# Altium PCB STM_W5500.PcbDoc (continued)
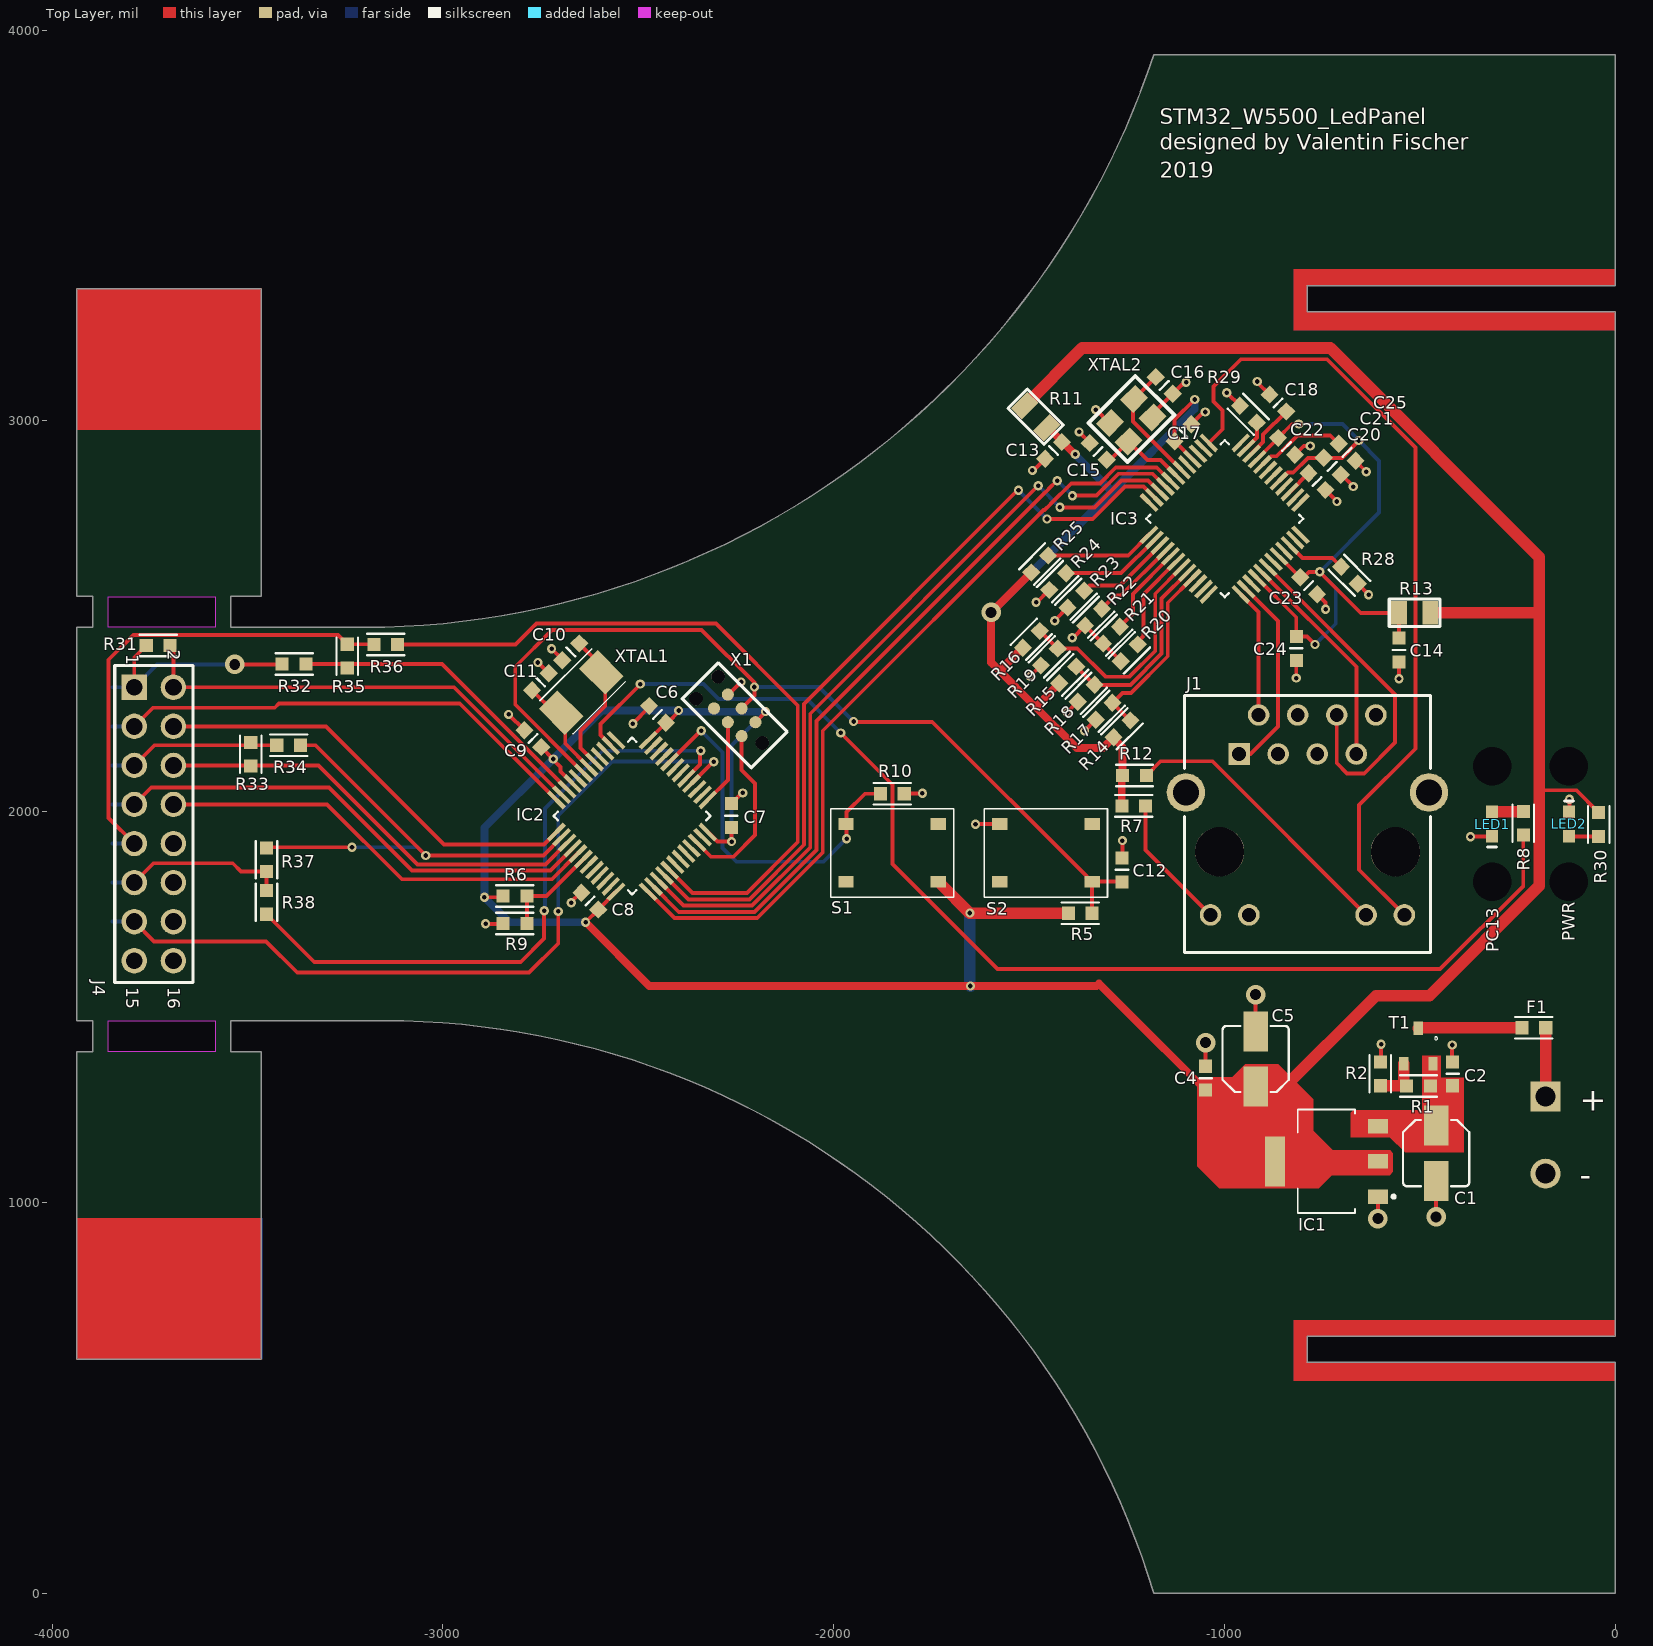
[diagram p0: Top Layer view]
## Part data (continued)
C15 C16: library part GCM188R72A223KA37D, "CAP CER 0.022UF 100V X7R 0603", Digi-Key Part Number=490-4782-1-ND, Manufacturer="Murata Electronics North America", Operating Temperature="-55°C ~ 125°C", Package / Case="0603 (1608 Metric)", Ratings=AEC-Q200, Temperature Coefficient=X7R, Tolerance=±10%, Voltage=100V, @ qty=0, Applications=Automotive, Datasheets=http://www.murata.com/~/media/webrenewal/support/library/catalog/products/capacitor/mlcc/c03e.ashx, Factory Stock=0, Features=-, Height - Seated (Max)=-, Image=//media.digikey.com/Renders/Murata%20Renders/0603%28GCM188%29.jpg, Lead Spacing=-, Lead Style=-, Minimum Quantity=1, Mounting Type="Surface Mount, MLCC", Packaging="Cut Tape (CT)", Part Number=GCM188R72A223KA37D, Part Status=Active, Quantity Available=102005, Series=GCM, Size / Dimension="0.063\" L x 0.031\" W (1.60mm x 0.80mm)", Thickness (Max)="0.035\" (0.90mm)", Unit Price (USD)=0.11
C17: library part GCM188R71C104KA37J, "CAP CER 0.1UF 16V X7R 0603", Digi-Key Part Number=490-8015-1-ND, Manufacturer="Murata Electronics North America", Operating Temperature="-55°C ~ 125°C", Package / Case="0603 (1608 Metric)", Ratings=AEC-Q200, Temperature Coefficient=X7R, Tolerance=±10%, Voltage=6.3V, @ qty=0, Applications=Automotive, Datasheets=http://www.murata.com/~/media/webrenewal/support/library/catalog/products/capacitor/mlcc/c03e.ashx, Factory Stock=0, Features=-, Height - Seated (Max)=-, Image=//media.digikey.com/Renders/Murata%20Renders/0603%28GCM188%29.jpg, Lead Spacing=-, Lead Style=-, Minimum Quantity=1, Mounting Type="Surface Mount, MLCC", Packaging="Cut Tape (CT)", Part Number=GCM188R71C104KA37J, Part Status=Active, Quantity Available=17844, Series=GCM, Size / Dimension="0.063\" L x 0.031\" W (1.60mm x 0.80mm)", Thickness (Max)="0.035\" (0.90mm)", Unit Price (USD)=0.18
C18: library part GCJ188R71C104KA01D, "CAP CER 0.1UF 16V X7R 0603", Digi-Key Part Number=490-5796-1-ND, Manufacturer="Murata Electronics North America", Operating Temperature="-55°C ~ 125°C", Package / Case="0603 (1608 Metric)", Ratings=AEC-Q200, Temperature Coefficient=X7R, Tolerance=±10%, Voltage=16V, @ qty=0, Applications="Automotive, Boardflex Sensitive", Datasheets=http://www.murata.com/~/media/webrenewal/support/library/catalog/products/capacitor/mlcc/c03e.ashx, Factory Stock=0, Features="Soft Termination", Height - Seated (Max)=-, Image=//media.digikey.com/Renders/Murata%20Renders/0603%28LQG18%29.jpg, Lead Spacing=-, Lead Style=-, Minimum Quantity=1, Mounting Type="Surface Mount, MLCC", Packaging="Cut Tape (CT)", Part Number=GCJ188R71C104KA01D, Part Status=Active, Quantity Available=22473, Series=GCJ, Size / Dimension="0.063\" L x 0.031\" W (1.60mm x 0.80mm)", Thickness (Max)="0.035\" (0.90mm)", Unit Price (USD)=0.21
C25: library part GCJ188R71C104KA01D, "CAP CER 0.1UF 16V X7R 0603", Digi-Key Part Number=490-5796-1-ND, Manufacturer="Murata Electronics North America", Operating Temperature="-55°C ~ 125°C", Package / Case="0603 (1608 Metric)", Ratings=AEC-Q200, Temperature Coefficient=X7R, Tolerance=±10%, Voltage=6.3V, @ qty=0, Applications="Automotive, Boardflex Sensitive", Datasheets=http://www.murata.com/~/media/webrenewal/support/library/catalog/products/capacitor/mlcc/c03e.ashx, Factory Stock=0, Features="Soft Termination", Height - Seated (Max)=-, Image=//media.digikey.com/Renders/Murata%20Renders/0603%28LQG18%29.jpg, Lead Spacing=-, Lead Style=-, Minimum Quantity=1, Mounting Type="Surface Mount, MLCC", Packaging="Cut Tape (CT)", Part Number=GCJ188R71C104KA01D, Part Status=Active, Quantity Available=22473, Series=GCJ, Size / Dimension="0.063\" L x 0.031\" W (1.60mm x 0.80mm)", Thickness (Max)="0.035\" (0.90mm)", Unit Price (USD)=0.21
F1 R1: library part ERJ-3EKF1001V, "RES SMD 1K OHM 1% 1/10W 0603", Digi-Key Part Number=P1.00KHCT-ND, Manufacturer="Panasonic Electronic Components", Operating Temperature="-55°C ~ 155°C", Package / Case="0603 (1608 Metric)", Power (Watts)="0.1W, 1/10W", Supplier Device Package=0603, Temperature Coefficient=±100ppm/°C, Tolerance=±1%, @ qty=1500, Composition="Thick Film", Datasheets=http://industrial.panasonic.com/www-cgi/jvcr13pz.cgi?E+PZ+3+AOA0002+ERJ3EKF1001V+7+WW, Factory Stock=0, Failure Rate=-, Features="Automotive AEC-Q200", Height - Seated (Max)="0.022\" (0.55mm)", Image=//media.digikey.com/Photos/Panasonic%20Photos/MFG_ERJ-P6W%20Series.jpg, Minimum Quantity=1, Number of Terminations=2, Packaging="Cut Tape (CT)", Part Number=ERJ-3EKF1001V, Part Status=Active, Quantity Available=5218845, Series=ERJ, Size / Dimension="0.063\" L x 0.031\" W (1.60mm x 0.80mm)", Unit Price (USD)=0.00379
IC1: "Integrated Circuit", Manufacturer_Name="Advanced Monolithic Systems", Datasheet Link=http://www.advanced-monolithic.com/pdf/ds1117.pdf, Height=1.8mm, Manufacturer_Part_Number=AMS1117-5.0
J1: "Modular Jack WR-MJ, Shielded, with LED, Vertical Entry, THT, 8P8C", Contact Resistance="20 mOhm", Operating Temperature="-40 to 85 degC", Rated Current="1.5 A", Withstanding Voltage="1000 VAC", Working Voltage="120 VAC", Compliance="Lead free / RoHS", ComponentLink1Description=Manufacturer, ComponentLink1URL=http://www.we-online.de, ComponentLink2Description=Datasheet, ComponentLink2URL=https://katalog.we-online.com/em/datasheet/615008138321%284%29.pdf, Entrance=Vertical, Mounting Technology=THT, Packaging=Tray, Part Number=615008138321, Pin Number=8P8C, Port=1x1, Published Date="July 2018", Publisher="Wurth Elektronik"
J2: "Serie 213 - 5.00 mm Horizontal Entry Modular with RisingCage Clamp WR-TBL, 2 pin", Operating Temperature="-40 to 105 degC", ComponentLink1Description=Manufacturer, ComponentLink1URL=http://www.we-online.de, ComponentLink2Description=Datasheet, ComponentLink2URL=http://katalog.we-online.de/em/datasheet/6912137100xx.pdf, Mounting Technology=THT, Packaging=Box, Part Number=691213710002, Pin Number=2, Pitch="5.00 mm", Published Date="June 2018", Publisher="Wurth Elektronik"
J4: library part 61301621121, "Pin Header WR-PHD, pitch 2.54 mm, THT, Vertical, dual row, 16 pin", Contact Resistance="20 mOhm", Insulation Resistance=">1000 MOhm", Operating Temperature="-40 to 105 degC", Rated Current="3 A", Working Voltage="250 VAC", ComponentLink1Description=Manufacturer, ComponentLink1URL=http://www.we-online.de, ComponentLink2Description=Datasheet, ComponentLink2URL=http://katalog.we-online.de/em/datasheet/6130xx21121.pdf, Mounting Technology=THT, Orientation=Vertical, Part Number=61301621121, Pin Number=16, Pitch="2.54 mm", Published Date="Jan. 2018", Publisher="Wurth Elektronik", Row Number=Dual
LED1 LED2: library part 150060SS75000, "SMD mono-color Chip LED, WL-SMCW, Super Red", Color="Super Red", ComponentLink1Description="Manufacturer URL", ComponentLink1URL=http://www.we-online.com, ComponentLink2Description=Datasheet, ComponentLink2URL=http://katalog.we-online.com/led/datasheet/150060SS75000.pdf, PackageReference=0603_A, PartNumber=150060SS75000
R2: library part ERJ-3EKF4701V, "RES SMD 4.7K OHM 1% 1/10W 0603", Digi-Key Part Number=P4.70KHCT-ND, Manufacturer="Panasonic Electronic Components", Operating Temperature="-55°C ~ 155°C", Package / Case="0603 (1608 Metric)", Power (Watts)="0.1W, 1/10W", Supplier Device Package=0603, Temperature Coefficient=±100ppm/°C, Tolerance=±1%, @ qty=1500, Composition="Thick Film", Datasheets=http://industrial.panasonic.com/www-cgi/jvcr13pz.cgi?E+PZ+3+AOA0002+ERJ3EKF4701V+7+WW, Factory Stock=0, Failure Rate=-, Features="Automotive AEC-Q200", Height - Seated (Max)="0.022\" (0.55mm)", Image=//media.digikey.com/Photos/Panasonic%20Photos/MFG_ERJ-P6W%20Series.jpg, Minimum Quantity=1, Number of Terminations=2, Packaging="Cut Tape (CT)", Part Number=ERJ-3EKF4701V, Part Status=Active, Quantity Available=999380, Series=ERJ, Size / Dimension="0.063\" L x 0.031\" W (1.60mm x 0.80mm)", Unit Price (USD)=0.00379
R5 R6 R9 R10 R14 R15 R16 R17 R18 R19 R20 R21 R22 R23 R24 R25 R29 R31 R32 R33 R34 R35 R36 R37 R38: library part ERJ-3EKF1002V, "RES SMD 10K OHM 1% 1/10W 0603", Digi-Key Part Number=P10.0KHCT-ND, Manufacturer="Panasonic Electronic Components", Operating Temperature="-55°C ~ 155°C", Package / Case="0603 (1608 Metric)", Power (Watts)="0.1W, 1/10W", Supplier Device Package=0603, Temperature Coefficient=±100ppm/°C, Tolerance=±1%, @ qty=1500, Composition="Thick Film", Datasheets=http://industrial.panasonic.com/www-cgi/jvcr13pz.cgi?E+PZ+3+AOA0002+ERJ3EKF1002V+7+WW, Factory Stock=0, Failure Rate=-, Features="Automotive AEC-Q200", Height - Seated (Max)="0.022\" (0.55mm)", Image=//media.digikey.com/Photos/Panasonic%20Photos/MFG_ERJ-P6W%20Series.jpg, Minimum Quantity=1, Number of Terminations=2, Packaging="Cut Tape (CT)", Part Number=ERJ-3EKF1002V, Part Status=Active, Quantity Available=6703141, Series=ERJ, Size / Dimension="0.063\" L x 0.031\" W (1.60mm x 0.80mm)", Unit Price (USD)=0.00379
R7 R8 R12 R30: library part ERJ-3EKF3300V, "RES SMD 330 OHM 1% 1/10W 0603", Digi-Key Part Number=P330HCT-ND, Manufacturer="Panasonic Electronic Components", Operating Temperature="-55°C ~ 155°C", Package / Case="0603 (1608 Metric)", Power (Watts)="0.1W, 1/10W", Supplier Device Package=0603, Temperature Coefficient=±100ppm/°C, Tolerance=±1%, @ qty=1500, Composition="Thick Film", Datasheets=http://industrial.panasonic.com/www-cgi/jvcr13pz.cgi?E+PZ+3+AOA0002+ERJ3EKF3300V+7+WW, Factory Stock=0, Failure Rate=-, Features="Automotive AEC-Q200", Height - Seated (Max)="0.022\" (0.55mm)", Image=//media.digikey.com/Photos/Panasonic%20Photos/MFG_ERJ-P6W%20Series.jpg, Minimum Quantity=1, Number of Terminations=2, Packaging="Cut Tape (CT)", Part Number=ERJ-3EKF3300V, Part Status=Active, Quantity Available=670984, Series=ERJ, Size / Dimension="0.063\" L x 0.031\" W (1.60mm x 0.80mm)", Unit Price (USD)=0.00379
R11 R13: library part ERJ-6BQF1R0V, "RES SMD 1 OHM 1% 1/3W 0805", Digi-Key Part Number=P17499CT-ND, Manufacturer="Panasonic Electronic Components", Operating Temperature="-55°C ~ 125°C", Package / Case="0805 (2012 Metric)", Power (Watts)="0.333W, 1/3W", Supplier Device Package=0805, Temperature Coefficient=±200ppm/°C, Tolerance=±1%, @ qty=1500, Composition="Thick Film", Datasheets=https://industrial.panasonic.com/cdbs/www-data/pdf/RDA0000/AOA0000C239.pdf, Factory Stock=0, Failure Rate=-, Features="Automotive AEC-Q200, Current Sense", Height - Seated (Max)="0.028\" (0.70mm)", Image=//media.digikey.com/Renders/Panasonic%20Renders/ERJ-0805%20Pkg.jpg, Minimum Quantity=1, Number of Terminations=2, Packaging="Cut Tape (CT)", Part Number=ERJ-6BQF1R0V, Part Status=Active, Quantity Available=808, Series=ERJ, Size / Dimension="0.079\" L x 0.049\" W (2.00mm x 1.25mm)", Unit Price (USD)=0.05834
R28: library part ERJ-3BQF1R1V, "RES SMD 12,4 KOHM 1% 1/4W 0603", Digi-Key Part Number=P17372CT-ND, Manufacturer="Panasonic Electronic Components", Operating Temperature="-55°C ~ 125°C", Package / Case="0603 (1608 Metric)", Power (Watts)="0.25W, 1/4W", Supplier Device Package=0603, Temperature Coefficient=±200ppm/°C, Tolerance=±1%, @ qty=1500, Composition="Thick Film", Datasheets=https://industrial.panasonic.com/cdbs/www-data/pdf/RDA0000/AOA0000C239.pdf, Factory Stock=0, Failure Rate=-, Features="Automotive AEC-Q200, Current Sense", Height - Seated (Max)="0.022\" (0.55mm)", Image=//media.digikey.com/Photos/Panasonic%20Photos/MFG_ERJ-P6W%20Series.jpg, Minimum Quantity=1, Number of Terminations=2, Packaging="Cut Tape (CT)", Part Number=ERJ-3BQF1R1V, Part Status=Active, Quantity Available=3896, Series=ERJ, Size / Dimension="0.063\" L x 0.031\" W (1.60mm x 0.80mm)", Unit Price (USD)=0.05386
S1 S2: "6.1x3.7x2.5mm"
T1: "AO3401 MOSFET 30V"
XTAL1: library part 5032
XTAL2: library part 3225

## Free pads (board coordinates)
  round 60 hole 98.43 unplated: 0(-314.96,1820.87) 0(-314.96,2116.14) 0(-118.11,1820.87) 0(-118.11,2116.14)

## Via types
v1: diameter 23.62, hole 11.81, Top Layer to Bottom Layer, 67 vias
v2: diameter 50, hole 28, Top Layer to Bottom Layer, 6 vias
v3: diameter 23.62, hole 11.81, Top Layer to Bottom Layer, tented both sides, 1 vias

## Nets (pads, with @x,y where several pads share a name; then routed paths per layer and width w, separated by ;. In a path a pad name is that pad's centre, name@x,y a point inside that pad or via, vN(x,y) a via of type N, cw(c..) or ccw(c..) an arc to the next point about the centre after c; other vN are vias at no path point)
3,3V: C4.1 C5.1 C6.1 C7.1 C8.1 C9.1 IC1.2 IC2.9 IC2.24 IC2.36 IC2.48 R5.2 R6.2 R11.1 R13.1 R30.1 S1.2 X1.1 | length 8712
  Top Layer w10: v1(-2894,1781) -2849.51,1781 R6.2 ; C9.1 v1(-2718,2135) -2718,2133 -2699.15,2114.15 -2699.15,2102.85 IC2.9 ; v1@-2634.85,1717 C8.1 -2602.42,1749.84 IC2.24 ; IC2.48 -2474.28,2182.75 -2454.89,2202.14 -2454.71,2202.14 C6.1 -2425.58,2227.42 -2394,2259 v1(-2397,2259) ; IC2.36 -2321.58,1947.99 -2297,1923.41 v1(-2261.41,1923.41) -2261.41,1958.89 C7.1 ; X1.1 -2173.14,2256.15 v1(-2174.83,2256.15) ; -194,2046 -185.19,2054.81 -99.3,2054.81 R30.1
  Top Layer w20: v1(-2635,1717) -2472,1554 v1(-1650,1554) -1327,1554 -1321,1560 -984,1223 -930,1223 -901,1194
  Top Layer w30: S1.2 -1727.83,1820.87 -1727.6,1820.63 -1727.6,1816.18 -1651.42,1740 R5.2 ; R11.1 -1363.57,3187 -729.23,3187 -194,2651.77 -194,2509 ; C4.1 -862.49,1287.49 -858,1283 -612,1529 -475,1529 -194,1810 -194,2046 -194,2509 ; R13.1 -194,2509
  Bottom Layer w10: v1(-2261.41,1923.41) -2261.41,2169.59 v1@-2175.4,2255.6
  Bottom Layer w20: v1(-2635,1717) -2693.38,1717 -2693.48,1716.9 -2829.9,1716.9 v1(-2894,1781) -2894,1959 v1(-2718,2135) -2594,2259 v1(-2397,2259) -2396.02,2259 -2392.62,2255.6 v1@-2175.4,2255.6 ; v1@-2175.38,2255.6 v1(-2174.83,2256.15)
  Bottom Layer w30: v1(-1651.42,1740.71) -1651.42,1555.42 v1(-1650,1554)
3,3VA: C14.1 C20.1 C21.1 C22.1 C23.1 C24.1 IC3.4 IC3.8 IC3.11 IC3.15 IC3.17 IC3.21 R13.2 | length 1950
  Top Layer w10: IC3.4 -816,2497.7 C24.1@-816,2463.51 ; IC3.21 -862.58,2955.72 C22.1 -827.53,2991.62 -810.38,2991.62 v1(-810,2992) ; IC3.8 -806.57,2600 C23.1 -797.41,2600 -783.41,2614 v1(-756,2614) -651,2509 R13.2 -553,2446.51 C14.1@-555,2444.51 ; IC3.17 -859.7,2846.17 -837.74,2868.13 -823.87,2868.13 -786.42,2905.58 C21.1 -699.42,2905.58 v1@-658,2947 ; IC3.15 -832.56,2818.59 C20.1 ; C24.1 -788.51,2448.51 v1(-768,2428)
  Bottom Layer w10: v1(-810,2992) -698,2992 v1(-656,2950) -604,2898 -604,2766 v1(-756,2614) -715,2573 -715,2481 v1(-768,2428)
3,3VD: C13.1 C17.1 IC3.28 R7.2 R11.2 R12.2 R14.2 R15.2 R16.2 R25.2 | length 2236.7
  Top Layer w10: R16.2@-1516.58,2419.42 R16.2 ; R11.2 R11.2@-1450.72,2982.72 ; v1@-1383,2915 v1(-1382,2915) ; IC3.28 -1081.73,2902.58 C17.1 -1127.58,3003.42 v1(-1076,3055)
  Top Layer w20: R16.2@-1516.58,2419.42 -1572,2364 -1579,2364 ; R25.2 v2(-1597,2510) -1597,2382 -1579,2364 ; R11.2@-1450.72,2982.72 v1@-1383,2915 ; R15.2 -1481,2270 -1485,2270 ; R7.2 -1262.51,2091 R12.2 -1260.51,2165.05 -1283.58,2188.11 R14.2 -1311,2163 -1378,2163 -1485,2270 ; -1579,2364 -1485,2270
  Bottom Layer w20: v2(-1597,2510) -1287.5,2819.5 ; v1(-1382,2915) -1382,2914 -1287.5,2819.5 ; v1(-1076,3055) -1076,3031 -1287.5,2819.5
GND: 1.9 1.11 1.13 1.15 1.16 C1.2 C2.2 C4.2 C5.2 C6.2 C7.2 C8.2 C9.2 C10.1 C11.1 C12.2 C13.2 C14.2 C15.1 C16.1 C17.2 C18.2 C20.2 C21.2 C22.2 C23.2 C24.2 C25.2 IC1.1 IC2.8 IC2.23 IC2.35 IC2.47 IC3.3 IC3.9 IC3.14 IC3.16 IC3.19 IC3.29 IC3.48 J1.8 J1.S1 J1.S2 J4.10 J4.12 J4.14 J4.15 J4.16 LED1.1 LED2.1 R2.1 R9.1 R10.1 R17.1 R18.1 R19.1 R20.2 R21.2 R22.2 R23.2 R24.2 R28.1 R29.1 S2.1 X1.5 XTAL2.2 XTAL2.4 | length 2172.9
  Top Layer w10: v1(-2891,1713) -2847.51,1713 R9.1 ; v1(-2832,2249) C9.2 ; v1(-2757,2382) C11.1 ; v1(-2722,2417) -2694.58,2389.58 C10.1 ; v1(-2672,1767) -2672,1769 -2648.42,1792.58 C8.2 ; v1(-2514,2225) -2514,2226 -2472.58,2267.42 C6.2 ; X1.5 -2269.29,2299.71 v1(-2237,2332) ; C7.2 -2234.51,2048 v1(-2233,2048) ; R10.1 -1818.49,2047 v1(-1773,2047) ; v1(-1637,1968) -1575.31,1968 S2.1 ; v1(-1496.75,2346.75) -1497,2347 R19.1 ; v1(-1491.42,2873.58) -1488.42,2873.58 C13.2 ; v1(-1482,2536) -1480,2536 R24.2 ; v1(-1434,2489) -1434,2490 R23.2 ; v1(-1403,2254) R18.1 ; v1(-1389.34,2445) -1388,2445 R22.2 R21.2 -1310.42,2430.42 R20.2 ; v1(-1372,2972) -1344.58,2944.58 C15.1 ; v1(-1358,2207) R17.1 ; v1(-1329,3029) -1295.33,2995.33 XTAL2.4 ; C12.2 -1261,1882.51 v1(-1261,1926) ; XTAL2.2@-1180.97,3012.03 XTAL2.2 -1183.75,3018.1 C16.1 -1109.38,3092.47 -1108.22,3092.47 -1101.69,3099 v1(-1098,3099) ; C17.2 -1059.81,3016.19 -1059.5,3016.19 -1052.69,3023 v1(-1049,3023) ; C4.2 v2(-1048,1409) ; v1(-994,3072) -993,3072 R29.1 ; C5.2 v2(-920,1532) ; v1(-916,3101) -916,3099 C18.2 ; C22.2 -796.99,2935.86 -780.14,2935.86 v1(-780,2936) ; v1(-816,2342) C24.2 ; C23.2 -741.46,2535.46 -741.46,2518.46 v1(-741,2518) ; C20.2 v1(-712,2794) ; C21.2 -700.42,2862.42 v1(-670,2832) ; C25.2 -664.42,2897.42 v1(-637,2870) ; R28.1 -631,2556 v1(-631,2555) ; v2@-617,948.61 v2(-607.31,958.31) IC1.1 ; R2.1 -599,1361.51 v1(-599,1405) ; v1(-553,2340) C14.2 ; v2(-458,963) C1.2 ; v1(-417,1403) -417,1360.51 C2.2 ; v1(-370,1936) -315.97,1936 LED1.1 ; LED2.1 -117,2001.11 v1(-117,2032)
  Bottom Layer w10: v2@-461,960 v2(-458,963)
Net1_1: 1.1 IC2.11 J4.2 R31.1 | length 1274
  Top Layer w10: R31.1 -3690.16,2416.67 J4.2 -2971.37,2318.5 IC2.11
  Bottom Layer w10: J4.2 1.1
Net1_2: 1.2 J4.1 R31.2 R32.1 | length 578.8
  Top Layer w10: J4.1 -3790.16,2394.35 R31.2 ; v2(-3533,2377) -3412.51,2377 R32.1
  Bottom Layer w10: 1.2 J4.1 -3731.66,2377 v2(-3533,2377)
Net1_3: 1.3 IC2.13 J4.4 | length 1119
  Top Layer w10: J4.4 -3299.5,2218.5 -2997,1916 -2741.74,1916 IC2.13
Net1_4: 1.4 IC2.12 J4.3 | length 1263.4
  Top Layer w10: J4.3 -3742.66,2266 -3430.53,2266 -3419.29,2277.24 -2956.98,2277.24 IC2.12
  Bottom Layer w10: 1.4 J4.3
Net1_5: 1.5 IC2.15 J4.6 R33.1 | length 1135.8
  Top Layer w10: J4.6 -3689.9,2118.24 -3486,2118.24 -3466,2118.24 -3318.24,2118.24 -3065.19,1865.19 -2737.39,1865.19 IC2.15
Net1_6: 1.6 J4.5 R33.2 R34.1 | length 442.3
  Top Layer w10: J4.5 -3738.66,2170 -3492,2170 R34.1
  Bottom Layer w10: 1.6 J4.5
Net1_7: 1.7 IC2.17 J4.8 | length 1142.2
  Top Layer w10: J4.8 -3296.5,2018.5 -3105,1827 -2721.13,1827 -2655.3,1892.83 IC2.17
Net1_8: 1.8 IC2.16 J4.7 | length 1308.2
  Top Layer w10: J4.7 -3746.68,2061.98 -3291.98,2061.98 -3079.19,1849.19 -2725.11,1849.19 IC2.16
  Bottom Layer w10: 1.8 J4.7
Net1_10: 1.10 J4.9 R35.1 R36.1 | length 1269.7
  Top Layer w10: J4.9 -3856,1984.35 -3856,2389 -3792.27,2452.73 -3269.22,2452.73 R35.1 -3177.51,2428.51 R36.1
  Bottom Layer w10: 1.10 J4.9
Net1_12: 1.12 J4.11 R37.1 R38.1 | length 471.8
  Top Layer w10: J4.11 -3740.66,1868 -3538,1868 -3516.49,1846.49 R37.1 R38.1
  Bottom Layer w10: 1.12 J4.11
Net1_14: 1.14 IC2.40 J4.13 | length 2089.7
  Top Layer w10: J4.13 -3739.65,1668 -3453,1668 -3373,1588 -2780,1588 -2705,1663 v1(-2705,1744.71) ; IC2.40 -2307.7,2128 v1(-2307,2128)
  Bottom Layer w10: 1.14 J4.13 ; v1@-2705,1744 v1(-2705,1744.71) -2705,1990 -2567,2128 v1(-2307,2128)
NetC10_2: C10.2 IC2.5 XTAL1.1 | length 371.6
  Top Layer w10: C10.2 -2594.5,2373.65 XTAL1.1 -2584.75,2346.76 -2584.75,2270.25 -2648,2207 -2648,2163.43 IC2.5
NetC11_2: C11.2 IC2.6 XTAL1.2 | length 267.9
  Top Layer w10: C11.2 -2714.8,2253.5 XTAL1.2 -2697.5,2213.24 -2687,2202.74 -2687,2174.14 IC2.6
NetC12_1: C12.1 IC2.7 R5.1 S2.2 X1.3 | length 2361.4
  Top Layer w10: IC2.7 -2815,2273.86 -2815,2371 -2720.76,2465.24 -2337.98,2465.24 -2203,2330.26 v1(-2203,2319.11) -2203,2297 X1.3 ; v1@-1949,2230 -1747.72,2230 -1353.27,1835.55 -1353.27,1830.63 -1343.5,1820.87 S2.2 ; R5.1 -1338.58,1740.09 S2.2 ; C12.1 -1262.38,1820.87 S2.2
  Bottom Layer w10: v1(-2203,2319.11) -2037.4,2319.11 v1(-1949,2230.71)
NetC15_2: C15.2 IC3.31 XTAL2.1 | length 234
  Top Layer w10: C15.2 -1292.58,2900.42 XTAL2.1 -1197,2900 -1163.14,2900 IC3.31
NetC16_2: C16.2 IC3.30 XTAL2.3 | length 313.9
  Top Layer w10: C16.2 -1175.58,3112.08 XTAL2.3 -1233.86,3053.79 -1233.86,2998.86 -1109.45,2874.45 IC3.30
NetC18_1: C18.1 IC3.22 | length 145.2
  Top Layer w10: IC3.22 -930.41,2916.88 -901,2946.29 -901,2965 -841.58,3024.42 C18.1
NetC25_1: C25.1 IC3.20 | length 235
  Top Layer w10: IC3.20 -902.13,2888.59 -880.87,2909.85 -866.15,2909.85 -813,2963 -729,2963 C25.1
NetF1_1: F1.1 T1.D | length 265.9
  Top Layer w30: T1.D -501.87,1447.28 -238.79,1447.28 F1.1
NetIC2_2: IC2.2 R8.1 | length 3109
  Top Layer w10: IC2.2 -2597,2195.86 -2597,2224 v1@-2495.07,2325.93 ; v1@-1982,2201 -1850,2069 -1850,1866 -1581,1597 -448,1597 -235,1810 R8.1
  Bottom Layer w10: v1(-2495.07,2326.64) -2333.64,2326.64 -2295,2288 -2068.29,2288 v1(-1982,2201.71)
NetIC2_10: IC2.10 R32.2 R35.2 | length 801
  Top Layer w10: R32.2 -3269,2378 -3245,2378 -3002.58,2378 IC2.10
NetIC2_14: IC2.14 R34.2 R37.2 | length 1221.6
  Top Layer w10: R37.2 -3450.51,1909 v1(-3233,1909) ; R34.2 -3326,2170 v3(-3044,1888) -2742.86,1888 IC2.14
  Bottom Layer w10: v1(-3233,1909) -3065,1909 v3(-3044,1888)
NetIC2_18: IC2.18 R6.1 R9.2 | length 254.3
  Top Layer w10: R9.2 R6.1 -2735.14,1784 IC2.18
NetIC2_25: IC2.25 IC3.32 | length 2040.2
  Top Layer w10: IC2.25 -2407.5,1727.76 -2195.73,1727.76 -2028,1895.49 -2028,2207.26 -1463.45,2771.81 -1460.19,2771.81 -1443.81,2788.19 -1443.81,2788.45 -1392.07,2840.19 -1318.81,2840.19 -1278,2881 -1173.13,2881 -1138.3,2846.17 IC3.32
NetIC2_26: IC2.26 IC3.33 | length 2040.9
  Top Layer w10: IC2.26@-2461.55,1807.98 IC2.26 -2396.63,1743.76 -2202.36,1743.76 -2044,1902.12 -2044,2232 -1462.81,2813.19 -1462.55,2813.19 -1449.19,2826.55 -1449.19,2826.81 -1429,2847 v1(-1427.97,2847) ; v1(-1389,2808.89) -1327.48,2808.89 -1271.37,2865 -1184,2865 -1151.74,2832.73 IC3.33
  Bottom Layer w10: v1(-1427.97,2847) -1427.11,2847 v1(-1389,2808.89)
NetIC2_27: IC2.27 IC3.34 | length 2017.5
  Top Layer w10: IC2.27 -2384.34,1759.76 -2208.98,1759.76 -2060,1908.75 -2060,2250.74 v1(-1476.37,2834.37) ; v1(-1421,2779) -1332.63,2779 -1263.63,2848 -1195.29,2848 -1165.88,2818.59 IC3.34
  Bottom Layer w10: v1(-1476.37,2834.37) v1(-1421,2779)
NetIC2_28: IC2.28 IC3.35 | length 2001.4
  Top Layer w10: IC2.28 -2372.06,1775.76 -2215.61,1775.76 -2076,1915.37 -2076,2276 -1529,2823 v1(-1527,2823) ; v1(-1454,2749) -1337,2749 -1254,2832 -1206.86,2832 IC3.35
  Bottom Layer w10: v1(-1527,2823) -1527,2822 v1(-1454,2749)
NetIC2_29: IC2.29 R36.2 | length 1888.8
  Top Layer w10: R36.2 -2814,2428 -2760.76,2481.24 -2301.24,2481.24 -2092,2272 -2092,1922 -2222.24,1791.76 -2361.19,1791.76 IC2.29
NetIC2_30: IC2.30
NetIC2_31: IC2.31
NetIC2_32: IC2.32
NetIC2_33: IC2.33
NetIC2_34: IC2.34 X1.2 | length 454.5
  Top Layer w10: IC2.34 -2314.18,1884.76 -2256.24,1884.76 -2201,1940 -2201,2072 -2235.64,2106.64 X1.2
NetIC2_37: IC2.37 X1.4 | length 220.2
  Top Layer w10: IC2.37 -2271,2081.26 X1.4
NetIC2_41: IC2.41 R38.2 | length 1666.9
  Top Layer w10: R38.2 -3329.51,1615 -2801,1615 -2741,1675 v1(-2741,1746.71) ; IC2.41 -2342,2120.57 -2342,2154 v1(-2340,2156)
  Bottom Layer w10: v1@-2739,1746 -2739,2008 -2591,2156 v1(-2340,2156)
NetIC2_44: IC2.44 R10.2 S1.1 | length 966.4
  Top Layer w10: IC2.44 -2340.43,2207 v1(-2339,2207) ; v1(-1967,1931) -1967,1998.99 -1919.99,2046 R10.2
  Bottom Layer w10: v1(-2339,2207) -2284.19,2152.19 -2284.19,1932.88 ; -2284.22,1932.85 -2284.22,1907.22 -2249,1872 -2026,1872 v1(-1967,1931)
NetIC3_1: IC3.1 J1.2 | length 327.5
  Top Layer w10: IC3.1 -912.4,2510.66 J1.2
NetIC3_2: IC3.2 J1.1 | length 514
  Top Layer w10: J1.1 -933.36,2147.64 -863,2218 -863,2488.14 IC3.2
NetIC3_5: IC3.5 J1.7 | length 563.4
  Top Layer w10: IC3.5 -662.4,2370.97 J1.7
NetIC3_6: IC3.6 J1.6 | length 899.7
  Top Layer w10: IC3.6 -563,2299.86 -563,2177 -642,2098 -686,2098 -712.4,2124.4 J1.6
NetIC3_10: IC3.10 R28.2 | length 154
  Top Layer w10: IC3.10 -800.42,2649 -724,2649 R28.2
NetIC3_23: IC3.23 R29.2 | length 77.8
  Top Layer w10: IC3.23@-944.55,2931.02 IC3.23 -917,2957.86 R29.2
NetIC3_25: IC3.25 J1.9 | length 2111.5
  Top Layer w10: IC3.25 -1005,2978.76 -1005,3027 -1027.86,3049.86 -1027.86,3088.14 -958,3158 -737,3158 -511,2932 -511,2161 -655,2017 -655,1851.46 J1.9
NetIC3_27: IC3.27
NetIC3_36: IC3.36 | length 24.7
  Top Layer w10: IC3.36@-1210.44,2808 -1193.45,2791.01 IC3.36
NetIC3_37: IC3.37 R25.1 | length 280.8
  Top Layer w10: R25.1 -1246.16,2655.58 IC3.37
NetIC3_38: IC3.38 R24.1 | length 261.3
  Top Layer w10: R24.1 -1264.29,2610.58 IC3.38
NetIC3_39: IC3.39 R23.1 | length 241.2
  Top Layer w10: R23.1 -1345,2579 -1267.58,2579 IC3.39
NetIC3_40: IC3.40 R22.1 | length 223.6
  Top Layer w10: R22.1 -1280,2553 -1265.3,2553 IC3.40
NetIC3_41: IC3.41 R21.1 | length 234
  Top Layer w10: R21.1 -1234,2507 -1234,2557.43 IC3.41
NetIC3_42: IC3.42 R20.1 | length 252.3
  Top Layer w10: R20.1 -1221.85,2435.04 -1207,2449.89 -1207,2556.14 IC3.42
NetIC3_43: IC3.43 R16.1 R19.2 | length 613.6
  Top Layer w10: R16.1 -1427.42,2417.58 R19.2 -1376.58,2417.58 -1304.5,2345.5 -1242.5,2345.5 -1177,2411 -1177,2557.86 IC3.43
NetIC3_44: IC3.44 R15.1 R18.2 | length 505.2
  Top Layer w10: R15.1 R18.2 -1240.8,2324.58 -1161,2404.37 -1161,2545.57 IC3.44
NetIC3_45: IC3.45 R14.1 R17.2 | length 481.9
  Top Layer w10: R14.1 -1241.42,2233.58 R17.2 -1261,2304 -1238.75,2304 -1145,2397.75 -1145,2534.7 IC3.45
NetJ1_10: J1.10 R12.1 | length 739.9
  Top Layer w10: R12.1 -1163.49,2129 -1030.57,2129 J1.10
NetJ1_11: J1.11
NetJ1_12: J1.12 R7.1 | length 348
  Top Layer w10: R7.1 -1201.49,1901.88 J1.12
NetLED1_2: LED1.2 R8.2 | length 80.4
  Top Layer w30: LED1.2 -236.02,2000 R8.2
NetLED2_2: LED2.2 R30.2 | length 76.3
  Top Layer w10: LED2.2 -42.52,1937.01 R30.2
NetR1_2: R1.2 R2.2 T1.G | length 126.4
  Top Layer w30: R2.2 R1.2@-534.49,1298.49 ; T1.G -541,1305 R1.2@-534.49,1298.49 ; R1.2 R1.2@-534.49,1298.49
VCC: F1.2 J2.1 | length 176.8
  Top Layer w30: J2.1 -177.49,1270.94 F1.2
Vcc_F1: C1.1 C2.1 IC1.3 R1.1 T1.S | length 117
  Top Layer w30: T1.S -466.2,1304.78 R1.1 -416.49,1298 C2.1
pads on no net: IC2.1 IC2.3 IC2.4 IC2.19 IC2.20 IC2.21 IC2.22 IC2.38 IC2.39 IC2.42 IC2.43 IC2.45 IC2.46 IC3.7 IC3.12 IC3.13 IC3.18 IC3.24 IC3.26 IC3.46 IC3.47 J1.3 J1.4 J1.5 J1.MH1 J1.MH2 J2.2 S1.3 S1.4 S2.3 S2.4 X1.6 X1.A X1.B X1.C

## Polygon pours and split planes (outlines as drawn)
GND on Bottom Layer "BottomLayer-GND" (solid, pour order 6): -3937.01,1386.22 -3895.89,1386.22 -3895.89,1464.96 -3937.01,1464.96 -3937.01,2472.05 -3895.89,2472.05 -3895.89,2550.79 -3937.01,2550.79 -3937.01,3338.19 -3464.57,3338.19 -3464.57,2550.79 -3543.31,2550.79 -3543.31,2472.05 -3149.61,2472.05 ccw(c-3208.01,4605.57) -1181.1,3937.01 0,3937.01 0,3346.46 -787.4,3346.46 -787.4,3279.53 0,3279.53 0,657.48 -787.4,657.48 -787.4,590.55 0,590.55 0,0 -1181.1,0 ccw(c-3149.61,-590.08) -3149.61,1464.96 -3543.31,1464.96 -3543.31,1386.22 -3464.57,1386.22 -3464.57,598.82 -3937.01,598.82

## Other copper
Top Layer:
  region net 3,3V: -1069,1231 -1069,1308 -1057,1320 -980,1320 -947,1353 -880,1353 -862,1353 -773,1264 -773,1183 -723,1133 -576,1133 -569,1126 -569,1078 -577,1070 -725,1070 -759,1036 -1013,1036 -1069,1092
  region net Vcc_F1: -454,1340 -454,1327 -452,1325
  region: -451,1368
  region net Vcc_F1: -537.67,1128.22 -576.45,1167 -677,1167 -677,1229.8 -670.8,1236 -493,1236 -493,1375 -446,1375 -446,1319 -388,1319 -388,1128.22
  region: -3464.56,599 -3937,599 -3936.57,599.43 -3936.57,959.19 -3464.57,959.19
  region: -3937.01,3338.19 -3464.57,3338.19 -3465,3337.76 -3465,2978 -3936.99,2978
  region: 0,657.46 0,699 -822,699 -822,543 0,543 0,590.53 -787.4,590.53 -787.4,657.46
  region: 0,3346.46 0,3388 -822,3388 -822,3232 0,3232 0,3279.53 -787.4,3279.53 -787.4,3346.46
Bottom Layer:
  region: -3461.56,599 -3934,599 -3933.57,599.43 -3933.57,959.19 -3461.57,959.19
  region: -3937.01,3338.19 -3464.57,3338.19 -3465,3337.76 -3465,2979 -3936.99,2979
  region: 0,657.46 0,699 -822,699 -822,543 0,543 0,590.53 -787.4,590.53 -787.4,657.46
  region: 0,3346.46 0,3388 -822,3388 -822,3232 0,3232 0,3279.53 -787.4,3279.53 -787.4,3346.46

## Silkscreen, mask and mechanical layers (free items; w line width, h text height)
Top Overlay:
  text "STM32_W5500_LedPanel" at -1165,3760 h40
  text "designed by Valentin Fischer" at -1165,3694 h40
  text "2019" at -1165,3622 h40
  text "+" at -91,1235 h60
  text "-" at -91,1041 h60
Mechanical 1:
  lines w0.5: -3856.52,1386.22 -3856.52,1464.96 -3582.68,1464.96 -3582.68,1386.22 -3856.52,1386.22 ; -3856.52,2472.05 -3582.68,2472.05 -3582.68,2550.79 -3856.52,2550.79 -3856.52,2472.05
  lines w10: -3937.01,598.82 -3937.01,1386.22 -3895.89,1386.22 -3895.89,1464.96 -3937.01,1464.96 -3937.01,2472.05 -3895.89,2472.05 -3895.89,2550.79 -3937.01,2550.79 -3937.01,3338.19 -3464.57,3338.19 -3464.57,2550.79 -3543.31,2550.79 -3543.31,2472.05 -3149.61,2472.05 ccw(c-3208.01,4605.57) -1181.1,3937.01 0,3937.01 0,3346.46 -787.4,3346.46 -787.4,3279.53 0,3279.53 0,657.48 -787.4,657.48 -787.4,590.55 0,590.55 0,0 -1181.1,0 ccw(c-3149.61,-590.08) -3149.61,1464.96 -3543.31,1464.96 -3543.31,1386.22 -3464.57,1386.22 -3464.57,598.82 -3937.01,598.82

## Text inside footprints (layer, text, board x,y; h text height)
1: Bottom Overlay "2" at -3862.2,2386.61 h39.37 r90; Bottom Overlay "15" at -3582.68,1577.95 h39.37 r90; Bottom Overlay "16" at -3862.2,1577.95 h39.37 r90
J4: Top Overlay "1" at -3811.02,2402.36 h32 r270; Top Overlay "2" at -3704.72,2414.17 h32 r270; Top Overlay "15" at -3811.02,1550.39 h32 r270; Top Overlay "16" at -3704.72,1550.39 h32 r270